# Allegro board reComputer J202_V1.0.brd (continued)
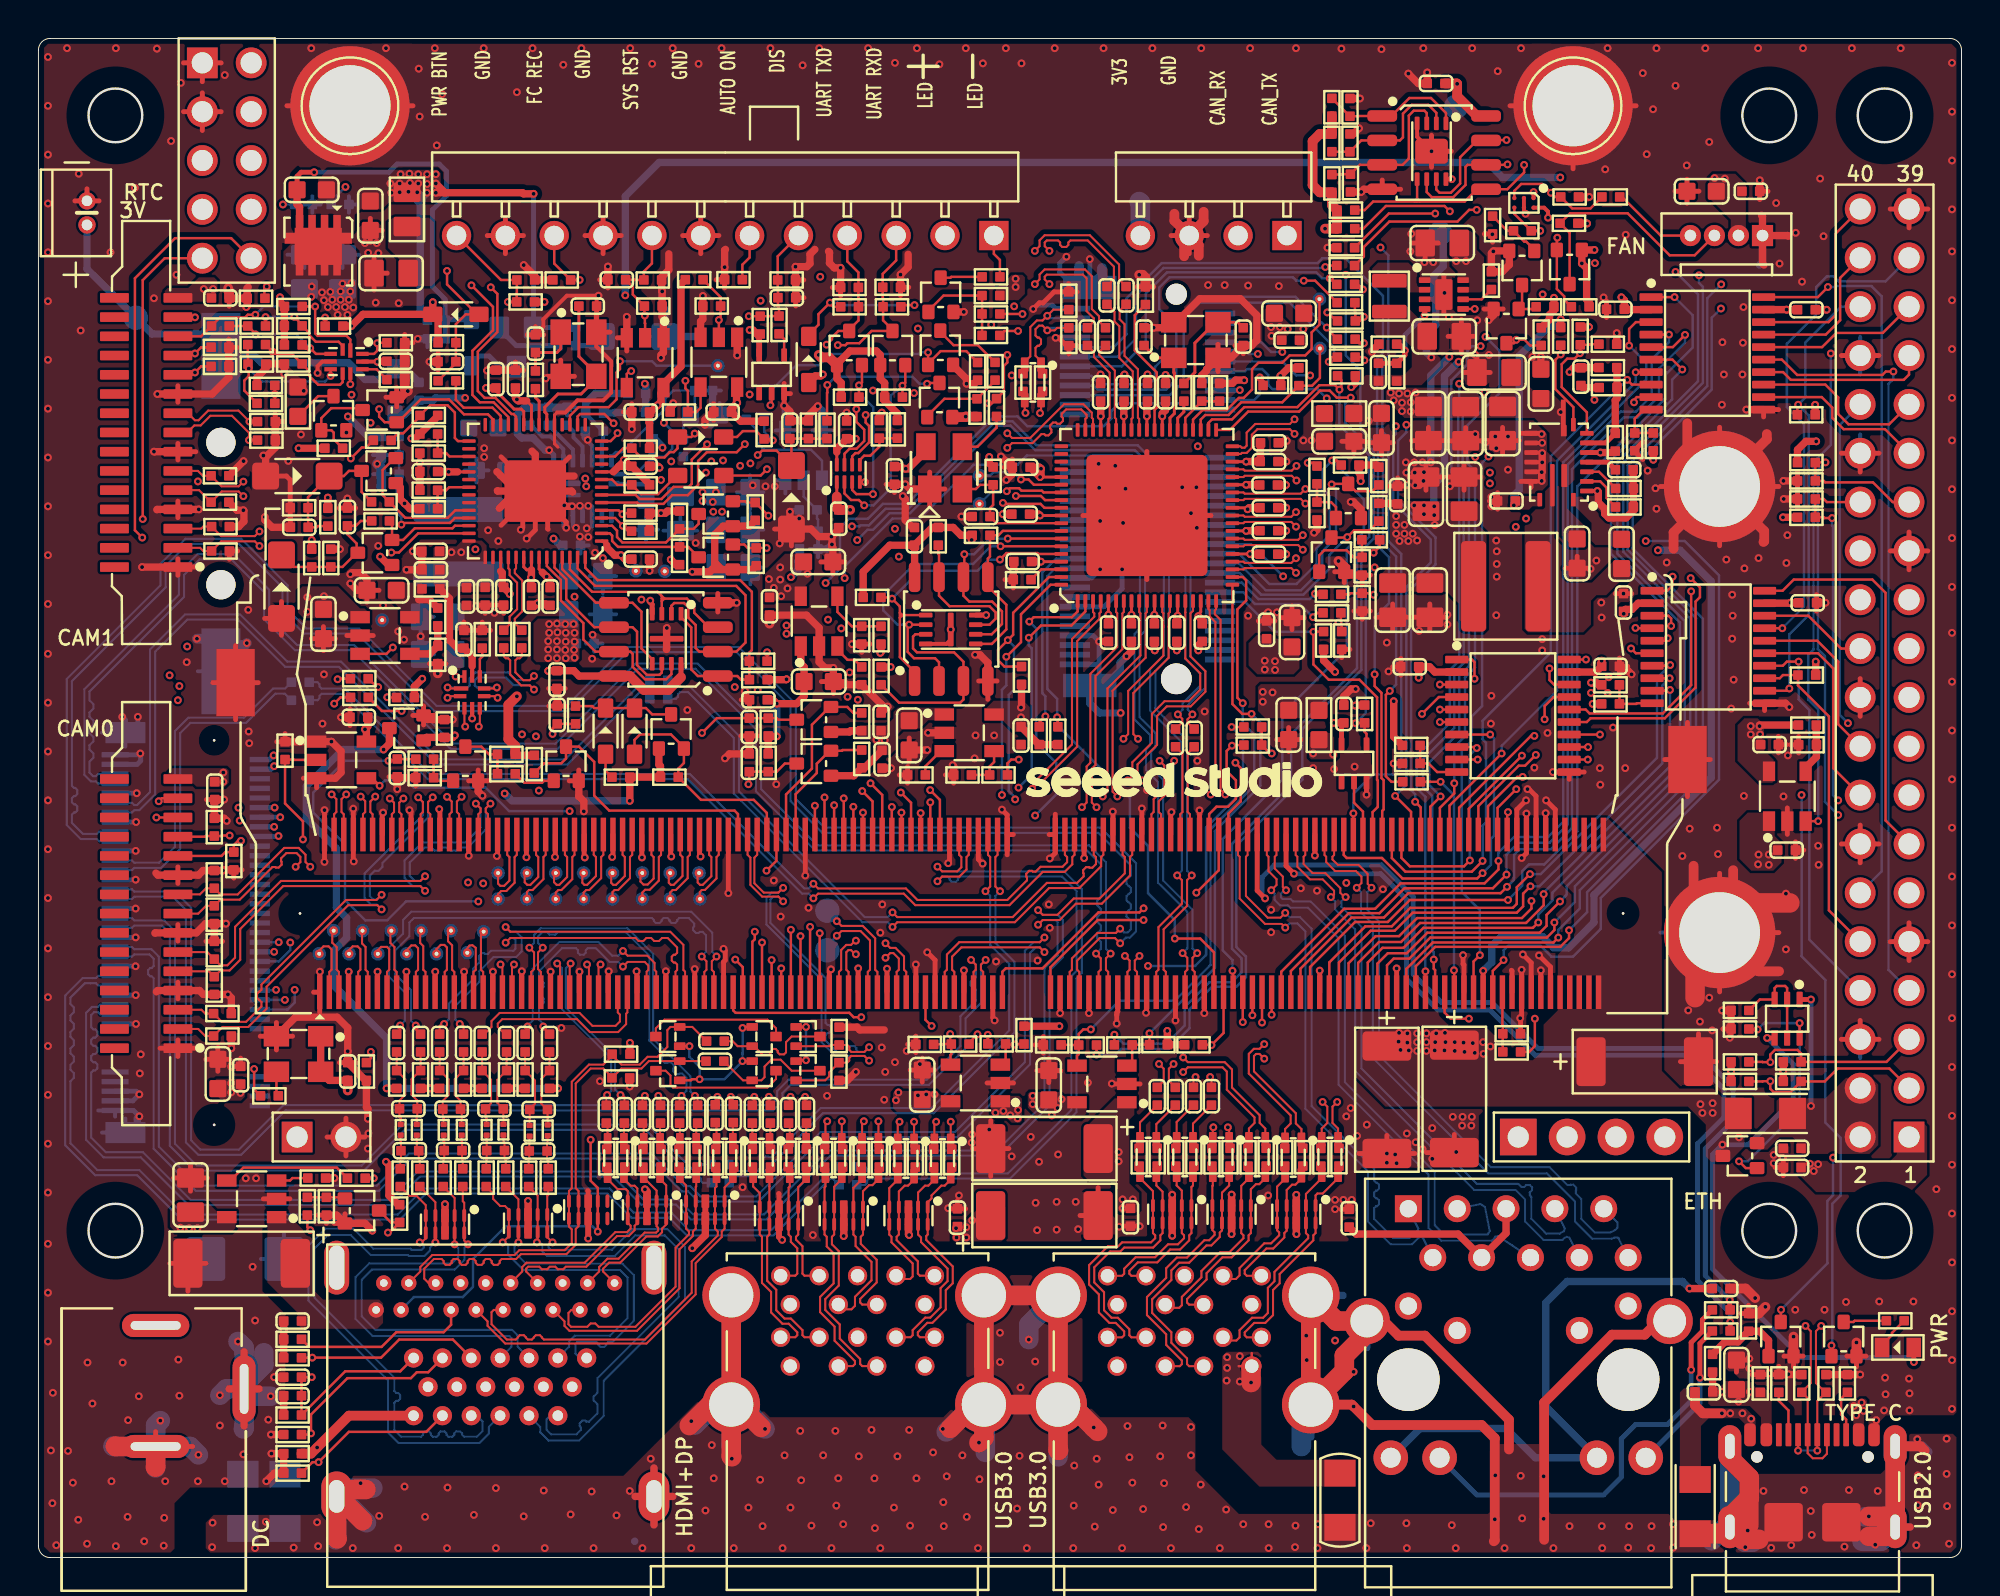
[diagram p0: board, top side]
## Routing (per net, layer and track width the routed paths; a pad name or vN(x,y) marks a point on that pad's centre or on a via; arc(x,y) is an arc through that point) (continued)
BMCU_PWR_BTN*: length 4.7
  TOP w0.127: D32.1 33.19,56.27 32.22,55.3 31.33,55.3 R150.2 30.1,55.78 29.83,56.06 U29.9
BRD_ID_A0: length 7.6
  TOP w0.127: R244.2 68.19,74.95 R243.1 68.64,74.95 68.65,74.97 U40.1 70.35,74.97 71.29,75.9 72.41,75.9 73.19,75.12 U41.1
BRD_ID_A1: length 7.9
  TOP w0.127: R241.2 R242.1 68.79,73.7 U40.2 70.8,73.7 70.95,73.86 70.95,75.09 71.41,75.55 72.28,75.55 72.69,75.13 U41.2
BRD_ID_A2: length 8.2
  TOP w0.127: R239.2 67.7,71.92 67.72,71.94 R240.1 68.71,72.43 U40.3 70.93,72.43 71.26,72.75 71.26,74.99 71.51,75.24 72.07,75.24 72.19,75.12 U41.3
BRD_ID_WP: length 16.5
  TOP w0.127: v1(76.34,73.72) 75.3,73.72 U40.7 74.8,73.7 73.93,72.82 73.93,71.46 73.44,70.97 72.86,70.97 72.69,71.14 U41.7 ; v1(72.63,69.89) 70.22,69.89 R232.1
  LAY4 w0.127: v1(76.34,73.72) 72.91,70.29 72.91,70.17 v1(72.63,69.89)
BT_EN: length 2.6
  TOP w0.127: Q22.1 67.47,54.63 67.22,54.89 R265.1 R264.2
BT_M2_EN: length 40.5
  TOP w0.127: J11.126 v1(45.87,38.72) ; v1(66,56.93) 66.31,56.93 R264.1
  LAY3 w0.127: v1(44.54,53.5) 44.54,53.11 44.34,52.9 44.34,51.8 45.22,50.91 45.22,48.98 44.91,48.67 44.91,46.86 45.25,46.51 45.25,39.91 45.87,39.29 v1(45.87,38.72)
  LAY4 w0.127: v1(66,56.93) 66,56.54 65.85,56.38 64.34,56.38 63.14,55.18 51.67,55.18 50.22,53.73 45.16,53.73 44.93,53.5 v1(44.54,53.5)
BT_M2_WAKE_AP: length 46.5
  TOP w0.127: R182.2 63.69,60.96 63.69,61.2 v1(63.51,61.37) ; J11.124 45.37,39.25 v1(44.84,39.78)
  LAY3 w0.127: v1(44.84,39.78) 44.84,46.44 44.68,46.6 44.68,48.92 44.92,49.16 44.92,50.43 44.08,51.26 44.08,53.6 44.51,54.03 44.51,57 45.53,58.02 v1(45.53,60.56)
  LAY4 w0.127: v1(45.53,60.56) 45.92,60.56 46.02,60.46 48.83,60.46 49.39,61.02 61.38,61.02 62.01,61.65 63.23,61.65 v1(63.51,61.37)
  BOTTOM w0.127: v1(63.51,61.37) 63.51,60.48 63.23,60.2 J20.20
BUCK_3V3_EN: length 82.1
  TOP w0.127: v1(30.82,61.7) 30.75,61.7 30.59,61.55 U34.4 ; U29.27 23.64,59.19 23.37,59.45 22.13,59.45 21.35,60.23 19.88,60.23 18.69,59.04 Q25.1 18,59.04 17.72,59.33 v1(17.72,59.72) ; R198.1 80.64,63.1 80.61,63.07 R205.2 80.17,62.64 v1(80.16,62.63) 79.88,62.35 79.5,62.35 79.21,62.06 79.21,60.87 80.52,59.56 U32.7
  LAY4 w0.127: v1(17.72,59.72) 18.25,60.26 19.67,60.26 22.59,63.18 28.69,63.18 30.16,61.7 v1(30.82,61.7) 31.09,61.97 32.41,61.97 32.77,61.62 36.78,61.62 37.4,62.24 40.36,62.24 40.45,62.15 59.2,62.15 60.2,63.15 65.85,63.15 65.98,63.28 67.91,63.28 68.52,63.89 77.28,63.89 78.99,62.17 79.03,62.14 79.67,62.14 v1(80.16,62.63)
BUCK_3V3_PG: length 171.9
  TOP w0.127: R261.1 17.28,25.97 v1(17.28,26.3) ; v1(16.24,57.16) 16.81,57.73 17.04,57.73 R160.2 ; U32.8 79.82,59.83 78.88,60.76 78.88,62.29 v1(79.16,62.57) R204.2 ; v1(49.38,60.03) 49.58,60.03 R172.1 50.2,60.65 50.2,61.11 50.2,61.97 50.38,62.15 v1(50.38,62.54) ; R13.1 v1(17.44,19.73) ; U15.3 v1(92.54,38.3) ; U38.5 v1(74.69,64.93)
  LAY3 w0.127: v1(17.44,19.73) 18.14,19.73 18.58,20.17 18.58,24.57 17.28,25.86 v1(17.28,26.3) 17.28,26.69 17.33,26.74 17.33,30.16 17.24,30.25 17.24,30.34 17.23,30.35 17.23,32.82 14.54,35.52 12.86,35.52 11.59,36.79 11.59,39.68 10.52,40.76 10.52,47.19 7.78,49.92 7.78,55.46 v1(8.29,55.96)
  LAY4 w0.127: v1(50.38,62.54) 50.77,62.54 50.9,62.42 59.14,62.42 61.07,64.35 62.19,64.35 62.37,64.52 64.93,64.52 65.13,64.33 68.07,64.33 68.29,64.12 73.87,64.12 v1(74.69,64.93) 76.79,64.93 v1(79.16,62.57) 79.64,63.05 81.11,63.05 81.55,62.62 v1(93.2,62.62) ; v1(49.38,60.03) 49.38,59.95 48.02,58.58 43.33,58.58 42.76,59.15 41.86,59.15 41.7,59.32 34.05,59.32 33.34,58.61 32.37,58.61 28.28,62.69 22.95,62.69 19.93,59.67 18.76,59.67 v1(16.24,57.16) 15.66,56.57 8.9,56.57 v1(8.29,55.96)
  BOTTOM w0.127: v1(93.2,62.62) 93.2,57.87 92.3,56.97 92.3,47.21 92.02,46.93 92.02,44.62 92.54,44.1 v1(92.54,38.3)
BUCK_5V_PG: length 57.7
  TOP w0.127: v1(38.06,59.93) 38.13,59.99 U33.2 ; 46.26,62.09 v1(46.26,62.67) ; 46.26,62.09 Q29.1 ; 46.26,62.09 46.91,62.74 48.25,62.74 R189.1 ; v1(18.43,47.33) 18.1,47 U24.3
  LAY3 w0.127: v1(17.27,59.01) 17.27,58.52 17.16,58.4 17.16,48.2 18.03,47.33 v1(18.43,47.33)
  LAY4 w0.127: v1(38.06,59.93) 36.97,59.93 36.64,59.6 33.67,59.6 33.08,59.01 v1(32.52,59.01) 28.61,62.92 22.75,62.92 19.77,59.95 18.71,59.95 17.77,59.01 v1(17.27,59.01)
  BOTTOM w0.127: v1(32.52,59.01) 32.96,58.58 32.96,57.67 32.54,57.25 R248.2 31.06,56.34 U42.8 ; v1(38.06,59.93) 38.06,60.66 39.41,62.01 40.6,62.01 41.19,62.59 45.79,62.59 45.87,62.67 v1(46.26,62.67)
BUF_EN: length 2.9
  TOP w0.127: U30.5 42.71,57.08 42.93,57.3 43.26,57.3 43.73,57.77 R166.1 R167.2
CAM0_I2C_SCL: length 12.4
  TOP w0.127: U36.1 16.22,63.34 16.02,63.53 14.52,63.53 14.39,63.66 v1(14.39,65.06) R220.2 ; J12.13 8.46,63.51 R208.2 9.44,64.49 10.74,64.49 10.88,64.63 v1(11.28,64.63)
  BOTTOM w0.127: v1(14.39,65.06) 11.71,65.06 v1(11.28,64.63)
CAM0_I2C_SDA: length 13.1
  TOP w0.127: v1(8.14,64.5) 8.13,64.51 J12.14 ; R173.2 v1(12.29,60.5) 12.29,60.5 R181.2 ; U36.7 v1(16.22,61.02)
  LAY4 w0.127: v1(16.22,61.02) 15.42,60.22 12.57,60.22 v1(12.29,60.5) 12.29,61.49 10.12,63.66 9.37,63.66 8.53,64.5 v1(8.14,64.5)
CAM0_MCLK: length 64.8
  TOP w0.127: D39.2 8.46,62.94 v1(8.14,62.62) 8.01,62.62 7.9,62.51 J12.12 ; J11.116 43.37,39.32 v1(42.84,39.86)
  LAY3 w0.127: v1(10.4,39) 9.31,39 8.11,40.19 8.11,45.57 6.87,46.82 6.87,55.35 7.76,56.24 7.76,59.85 8.57,60.66 8.57,62.44 8.39,62.62 v1(8.14,62.62)
  LAY4 w0.127: v1(42.84,39.86) 41.85,40.85 12.61,40.85 10.76,39 v1(10.4,39)
CAM0_PWDN: length 63.5
  TOP w0.127: J12.11 8.02,61.51 v1(8.14,61.63) 8.46,61.95 D37.2 ; J11.114 v1(42.87,38.74)
  LAY3 w0.127: v1(10.46,38.32) 10.07,38.72 9.21,38.72 7.89,40.04 7.89,45.48 6.64,46.72 6.64,55.53 7.45,56.34 7.45,60.26 8.14,60.94 v1(8.14,61.63)
  LAY4 w0.127: v1(10.46,38.32) 12.76,40.62 41.41,40.62 42.87,39.16 v1(42.87,38.74)
CAM1_I2C_SCL: length 36.9
  TOP w0.127: v1(13.31,64.52) 13.31,64.51 13.71,64.11 R210.2 14.08,63.68 14.08,63.57 14.42,63.23 15.61,63.23 15.82,63.02 U36.2 ; J9.13 v1(6.13,38.49) ; R209.2 v1(11.81,64.51)
  LAY3 w0.127: v1(6.13,38.49) 5.83,38.79 5.83,55.71 6.81,56.69 6.81,60.52 6.97,60.69 6.97,62.59 8.39,64.02 11.31,64.02 v1(11.81,64.51)
  BOTTOM w0.127: v1(11.81,64.51) 12.2,64.51 12.21,64.52 v1(13.31,64.52)
CAM1_I2C_SDA: length 35.5
  TOP w0.127: v1(6.25,39.33) 6.41,39.49 J9.14 ; U36.6 15.82,61.13 15.68,60.99 14.54,60.99 14.08,61.45 14.08,61.7 R193.2 13.19,62.59 12.3,62.59 v1(12.17,62.72) R197.2
  LAY3 w0.127: v1(6.25,39.33) 6.25,55.66 7.12,56.53 7.12,60.43 7.38,60.69 7.38,62.59 7.91,63.13 11.76,63.13 v1(12.17,62.72)
CAM1_MCLK: length 40.7
  TOP w0.127: J9.12 8.67,37.49 8.7,37.52 D19.2 9.52,37.52 9.55,37.55 v1(9.94,37.55) ; J11.122 v1(44.87,38.74)
  LAY4 w0.127: v1(9.94,37.55) 9.94,37.3 10.53,36.71 12.56,36.71 13.68,37.83 19.87,37.83 20.31,37.4 43.9,37.4 44.87,38.37 v1(44.87,38.74)
CAM1_PWDN: length 40.7
  TOP w0.127: J9.11 9.52,36.49 9.72,36.69 D18.2 10.16,37.05 10.38,37.27 v1(10.53,37.27) ; v1(44.37,39.03) J11.120
  LAY4 w0.127: v1(10.53,37.27) 10.81,36.99 12.49,36.99 13.55,38.06 20.43,38.06 20.82,37.68 43.65,37.68 44.37,38.4 v1(44.37,39.03)
CAM_I2C_SCL: length 150.1
  TOP w0.127: U36.3 14.43,62.6 v1(14.13,62.89) 14.11,62.87 13.9,62.87 R196.2 ; v1(79.12,34.12) 78.42,33.42 78.42,32.85 78.07,32.49 72.22,32.49 71.15,31.43 70.17,31.43 69.62,30.89 J11.213 ; v1(50.15,54.85) 50.28,54.85 50.33,54.8 52.11,54.8 52.31,54.59 U28.66 ; R208.1 R209.1 11.29,63.64 v1(11.29,63.61)
  LAY3 w0.127: v1(50.74,65.07) 50.43,64.76 50.43,63.58 52.95,61.07 52.95,55.96 51.73,54.74 50.65,54.74 50.55,54.85 v1(50.15,54.85)
  LAY4 w0.127: v1(14.13,62.89) 16.19,62.89 17.93,64.64 22.65,64.64 23.96,65.95 27.19,65.95 27.55,65.59 28.21,65.59 29.13,66.52 35.39,66.52 35.42,66.49 39.63,66.49 40.17,65.95 48.53,65.95 49.4,65.07 v1(50.74,65.07) 51.01,65.35 54.81,65.35 56.86,67.39 65.75,67.39 67.07,66.07 68.08,66.07 68.72,66.71 84.58,66.71 84.73,66.86 v1(85.13,66.86)
  BOTTOM w0.127: v1(85.13,66.86) 86.3,65.69 86.3,61.17 82.1,56.98 82.1,52.2 85.61,48.7 85.61,41.05 79.46,34.91 79.46,34.48 79.4,34.41 79.4,34.4 v1(79.12,34.12) ; v1(14.13,62.89) 13.42,63.61 v1(11.29,63.61)
CAM_I2C_SDA: length 150.3
  TOP w0.127: R197.1 10.89,62.52 10.9,62.51 R192.2 10.93,62.03 v1(10.93,61.83) 10.93,61.44 10.71,61.21 10.71,60.68 R173.1 ; J11.215 70.12,30.8 70.47,31.15 71.28,31.15 72.38,32.24 78.43,32.24 78.83,32.63 v1(78.83,33.03) ; U28.65 52.34,54.99 52.13,55.21 v1(50.83,55.21) ; v1(15.19,61.45) U36.5
  LAY3 w0.127: v1(49.54,64.12) 52.72,60.94 52.72,56.17 51.76,55.21 v1(50.83,55.21)
  LAY4 w0.127: v1(15.19,61.45) 18.15,64.41 22.75,64.41 24.06,65.72 27.1,65.72 27.45,65.36 28.3,65.36 29.2,66.26 35.32,66.26 35.33,66.26 39.54,66.26 40.07,65.72 48.43,65.72 49.54,64.61 v1(49.54,64.12) 49.94,64.12 50.01,64.19 51.55,64.19 52.36,65.01 54.88,65.01 56.98,67.11 65.67,67.11 66.94,65.84 68.21,65.84 68.8,66.43 86.09,66.43 v1(86.35,66.68)
  BOTTOM w0.127: v1(15.19,61.45) 14.9,61.16 11.61,61.16 v1(10.93,61.83) ; v1(78.83,33.03) 79.9,34.09 79.9,34.91 85.89,40.9 85.89,48.83 82.41,52.31 82.41,56.95 86.55,61.09 86.55,66.09 86.35,66.29 v1(86.35,66.68)
CAM_MUX_OE*: length 1.5
  TOP w0.127: U36.8 17.58,61.8 R186.1
CAM_MUX_SEL: length 57.9
  TOP w0.127: J11.130 46.87,39.4 v1(46.37,39.91) ; R200.1 17.64,63.18 v1(17.61,63.15) 17.61,62.76 17.45,62.6 U36.10
  LAY3 w0.127: v1(45.73,63.91) 45.73,63.52 45.66,63.44 45.66,61.04 46.11,60.59 46.11,60.18 45.88,59.95 45.88,48.28 45.78,48.18 45.78,40.89 46.37,40.3 v1(46.37,39.91)
  LAY4 w0.127: v1(45.73,63.91) 40.19,63.91 39.48,63.2 29.55,63.2 29.02,63.74 22.41,63.74 21.65,62.97 18.19,62.97 18.01,63.15 v1(17.61,63.15)
CAN_RX: length 50.3
  TOP w0.127: J11.143 50.12,30.47 50.3,30.64 52.21,30.64 55.12,33.55 57.25,33.55 v1(57.47,33.76)
  LAY3 w0.127: J16.2 63.42,67.71 63.42,63.14 63.94,62.62 63.94,61.02 64.12,60.84 64.12,55.72 64.02,55.62 64.02,50.71 64.88,49.84 64.88,44.05 64.6,43.77 64.6,40.55 61.71,37.65 59.42,37.65 58.51,36.74 58.51,34.81 v1(57.47,33.76)
CAN_TX: length 48.5
  TOP w0.127: v1(57.47,33.15) 55.08,33.15 52.62,30.7 J11.145
  LAY3 w0.127: J16.1 63.65,67.48 63.65,63.29 64.2,62.75 64.2,61.14 64.4,60.94 64.4,55.61 64.3,55.51 64.3,50.86 65.16,49.99 65.16,44.01 64.83,43.68 64.83,40.45 61.8,37.42 59.6,37.42 58.81,36.63 58.81,34.5 v1(57.47,33.15)
CSI0_CLK_N: length 30
  TOP w0.107: D35.2 v1(10.95,58.11) 10.95,58.49 10.06,59.38 8.94,59.38 8.43,58.87 8.1,58.87 7.74,58.51 J12.8 ; v1(16.76,39.57) 16.99,39.34 16.99,38.77 16.87,38.66 J11.10
  LAY3 w0.084: v1(16.76,39.57) 17,39.82 17,40.34 16.07,41.27 15.15,41.27 12.93,43.5 12.93,53.33 12.17,54.09 12.17,58.02 11.72,58.47 11.34,58.47 10.97,58.11 v1(10.95,58.11)
CSI0_CLK_P: length 29.9
  TOP w0.107: J11.12 17.37,38.66 17.26,38.77 17.26,39.32 v1(17.51,39.57) ; D36.2 v1(10.97,59.08) 10.4,59.65 8.83,59.65 8.32,59.14 8.13,59.14 7.77,59.51 J12.9
  LAY3 w0.084: v1(17.51,39.57) 17.24,39.84 17.24,40.44 16.17,41.51 15.25,41.51 13.17,43.59 13.17,53.42 12.41,54.19 12.41,58.12 11.82,58.71 11.34,58.71 v1(10.97,59.08)
CSI0_D0_N: length 22.9
  TOP w0.107: v1(11.49,52.61) 11.25,52.85 9.51,52.85 D25.2 8.57,52.34 8.41,52.51 J12.2 ; J11.4 15.37,38.66 15.49,38.77 15.49,39.44 v1(15.25,39.69)
  LAY3 w0.084: v1(11.49,52.61) 11.75,52.87 11.95,52.87 12.12,52.69 12.12,52.28 12.04,52.19 11.98,52.19 11.9,52.11 11.9,51.94 11.98,51.86 12.04,51.86 12.12,51.78 12.12,42.78 14.57,40.33 15.31,40.33 15.51,40.13 15.51,39.95 v1(15.25,39.69)
CSI0_D0_P: length 23
  TOP w0.107: J11.6 15.88,38.66 15.76,38.77 15.76,39.44 v1(16,39.69) ; J12.3 8.47,53.51 8.57,53.61 D26.2 9.5,53.12 11.25,53.12 v1(11.49,53.36)
  LAY3 w0.084: v1(11.49,53.36) 11.75,53.1 12.05,53.1 12.36,52.79 12.36,42.88 14.67,40.57 15.4,40.57 15.74,40.23 15.74,39.95 v1(16,39.69)
CSI0_D1_N: length 31.9
  TOP w0.107: v1(10.66,55.2) 10.41,55.44 9.53,55.44 D27.2 8.35,55.51 J12.5 ; v1(18.27,39.47) 18.49,39.26 18.49,38.77 18.37,38.66 J11.16
  LAY3 w0.084: v1(10.66,55.2) 10.4,55.46 10.12,55.46 9.77,55.1 9.77,54.75 9.85,54.66 9.89,54.66 9.97,54.58 9.97,54.41 9.89,54.33 9.85,54.33 9.77,54.24 9.77,54.07 9.85,53.99 9.89,53.99 9.97,53.91 9.97,53.74 9.89,53.66 9.85,53.66 9.77,53.57 9.77,53.12 11.58,51.31 11.58,41.27 14.49,38.36 16.39,38.36 16.48,38.45 16.48,38.51 16.56,38.59 16.73,38.59 16.81,38.51 16.81,38.45 16.9,38.36 17.06,38.36 17.15,38.45 17.15,38.51 17.23,38.59 17.4,38.59 17.48,38.51 17.48,38.45 17.57,38.36 18.3,38.36 18.51,38.57 18.51,39.24 v1(18.27,39.47)
CSI0_D1_P: length 32
  TOP w0.107: J11.18 18.87,38.66 18.76,38.77 18.76,39.26 v1(18.98,39.47) ; J12.6 8.29,56.51 8.55,56.26 D31.2 9.52,55.71 10.41,55.71 v1(10.66,55.95)
  LAY3 w0.084: v1(10.66,55.95) 10.39,55.69 10.02,55.69 9.53,55.2 9.53,53.02 11.34,51.21 11.34,41.18 14.39,38.13 18.4,38.13 18.74,38.47 18.74,39.24 v1(18.98,39.47)
CSI1_CLK_N: length 3.2
  TOP w0.107: TP2.1 16.15,31.6 16.34,31.78 16.6,31.78 16.74,31.64 16.74,30.57 16.62,30.46 J11.9
CSI1_CLK_P: length 3.3
  TOP w0.107: TP9.1 16.83,32.58 16.83,31.94 17.01,31.75 17.01,30.57 17.12,30.46 J11.11
CSI1_D0_N: length 3.2
  TOP w0.107: J11.3 15.12,30.46 15.24,30.57 15.24,31.63 15.09,31.78 14.82,31.78 14.6,31.56 TP1.1
CSI1_D0_P: length 3.4
  TOP w0.107: J11.5 15.62,30.46 15.51,30.57 15.51,31.74 15.28,31.98 15.28,32.53 TP8.1
CSI1_D1_N: length 3.2
  TOP w0.107: J11.15 18.12,30.46 18.24,30.57 18.24,31.64 18.12,31.76 17.82,31.76 17.65,31.59 TP3.1
CSI1_D1_P: length 3.4
  TOP w0.107: J11.17 18.62,30.46 18.51,30.57 18.51,31.75 18.3,31.96 18.3,32.55 TP10.1
CSI2_CLK_N: length 21.3
  TOP w0.107: v1(13.38,35.92) 13.62,36.17 13.62,36.44 13.42,36.63 12.89,36.63 12.62,36.36 12.62,36.21 12.64,36.18 12.64,36.03 12.49,35.88 12.34,35.88 12.32,35.91 12.16,35.91 10.47,34.21 9.46,34.21 D16.2 8.71,33.89 8.31,33.49 J9.8 ; J11.28 21.37,38.66 21.49,38.77 21.49,39.32 v1(21.25,39.56)
  LAY3 w0.084: v1(13.38,35.92) 13.63,36.17 13.63,36.58 14.35,37.31 18.79,37.31 19.78,38.29 21.22,38.29 21.51,38.57 21.51,39.3 v1(21.25,39.56)
CSI2_CLK_P: length 21.5
  TOP w0.107: v1(14.13,35.92) 13.89,36.17 13.89,36.55 13.53,36.9 12.78,36.9 10.36,34.48 9.46,34.48 D17.2 8.71,34.8 8.4,34.49 J9.9 ; v1(22,39.56) 21.76,39.32 21.76,38.77 21.87,38.66 J11.30
  LAY3 w0.084: v1(22,39.56) 21.74,39.3 21.74,38.48 21.32,38.06 19.87,38.06 18.89,37.07 14.45,37.07 13.86,36.49 13.86,36.19 v1(14.13,35.92)
CSI2_D0_N: length 24.1
  TOP w0.107: v1(19.75,39.54) 19.99,39.29 19.99,38.77 19.87,38.66 J11.22 ; J9.2 8.31,27.49 8.67,27.12 D12.2 9.57,27.59 9.62,27.59 9.82,27.59 10.91,27.59 11.86,28.55 11.86,29.69 16.1,33.93 17.62,33.93 v1(17.84,33.71)
  BOTTOM w0.107: v1(17.84,33.71) 17.6,33.95 17.3,33.95 16.96,34.29 16.96,35.58 19.99,38.6 19.99,39.29 v1(19.75,39.54)
CSI2_D0_P: length 23.9
  TOP w0.107: J11.24 20.37,38.66 20.26,38.77 20.26,39.29 v1(20.5,39.54) ; v1(17.84,34.47) 17.57,34.2 15.99,34.2 11.59,29.8 11.59,29.53 11.49,29.43 11.47,29.43 11.37,29.32 11.37,29.11 11.47,29 11.49,29 11.59,28.89 11.59,28.66 10.8,27.86 9.82,27.86 9.57,27.86 9.53,27.86 D13.2 8.67,28.29 8.48,28.49 J9.3
  BOTTOM w0.107: v1(20.5,39.54) 20.26,39.29 20.26,38.49 17.89,36.12 17.89,35.92 17.69,35.72 17.48,35.72 17.23,35.47 17.23,34.4 17.41,34.22 17.6,34.22 v1(17.84,34.47)
CSI2_D1_N: length 26
  TOP w0.107: J11.34 22.87,38.66 22.99,38.77 22.99,38.96 v1(22.75,39.21) ; v1(20.1,34.67) 19.86,34.92 12.72,34.92 10.49,32.69 10.49,31.09 9.94,30.53 9.46,30.53 D14.2 8.87,30.49 J9.5
  BOTTOM w0.107: v1(22.75,39.21) 22.99,38.96 22.99,37.97 22.21,37.19 19.98,37.19 19.04,36.25 19.04,35.34 19.46,34.92 19.86,34.92 v1(20.1,34.67)
CSI2_D1_P: length 25.8
  TOP w0.107: J11.36 23.37,38.66 23.26,38.77 23.26,38.96 v1(23.5,39.21) ; J9.6 8.78,31.49 D15.2 9.46,30.8 9.82,30.8 10.22,31.2 10.22,32.8 12.61,35.19 19.86,35.19 v1(20.1,35.43)
  BOTTOM w0.107: v1(23.5,39.21) 23.26,38.96 23.26,37.86 22.32,36.92 21.88,36.92 21.71,36.76 21.45,36.76 21.29,36.92 21.02,36.92 20.86,36.76 20.6,36.76 20.43,36.92 20.09,36.92 19.31,36.14 19.31,35.45 19.57,35.19 19.86,35.19 v1(20.1,35.43)
CSI3_CLK_N: length 3.3
  TOP w0.107: TP5.1 20.7,31.64 20.92,31.86 21.11,31.86 21.24,31.73 21.24,30.57 21.12,30.46 J11.27
CSI3_CLK_P: length 3.4
  TOP w0.107: J11.29 21.62,30.46 21.51,30.57 21.51,31.84 21.3,32.05 21.3,32.45 TP12.1
CSI3_D0_N: length 3.3
  TOP w0.107: TP4.1 19.15,31.59 19.39,31.83 19.6,31.83 19.74,31.69 19.74,30.57 19.62,30.46 J11.21
CSI3_D0_P: length 3.3
  TOP w0.107: J11.23 20.12,30.46 20.01,30.57 20.01,31.8 19.85,31.96 19.85,32.55 TP11.1
CSI3_D1_N: length 3.2
  TOP w0.107: TP6.1 22.28,31.65 22.41,31.82 22.56,31.84 22.74,31.71 22.74,30.57 22.62,30.46 J11.33
CSI3_D1_P: length 3.2
  TOP w0.107: TP7.1 23.01,32.37 23.01,30.57 23.12,30.46 J11.35
CSI4_CLK_N: length 3.7
  TOP w0.107: J11.52 27.37,36.54 27.49,36.43 27.49,35.39 27.08,34.98 26.95,34.98 26.81,35.12 26.81,35.51 TP23.1
CSI4_CLK_P: length 3.8
  TOP w0.107: TP15.1 26.9,34.58 27.03,34.71 27.19,34.71 27.76,35.28 27.76,36.43 27.87,36.54 J11.54
CSI4_D0_N: length 3.7
  TOP w0.107: J11.46 25.87,36.54 25.99,36.43 25.99,35.39 25.58,34.98 25.42,34.98 25.29,35.12 25.29,35.49 TP22.1
CSI4_D0_P: length 3.9
  TOP w0.107: TP14.1 25.4,34.61 25.51,34.71 25.69,34.71 26.26,35.28 26.26,36.43 26.37,36.54 J11.48
CSI4_D1_N: length 3.7
  TOP w0.107: J11.58 28.87,36.54 28.99,36.43 28.99,35.44 28.53,34.98 28.39,34.98 28.28,35.09 28.28,35.53 TP24.1
CSI4_D1_P: length 3.9
  TOP w0.107: J11.60 29.37,36.54 29.26,36.43 29.26,35.33 28.64,34.71 28.48,34.71 28.35,34.58 TP16.1
CSI4_D2_N: length 3.7
  TOP w0.107: TP21.1 23.9,35.05 24.02,34.93 24.22,34.93 24.49,35.2 24.49,36.43 24.37,36.54 J11.40
CSI4_D2_P: length 3.9
  TOP w0.107: J11.42 24.87,36.54 24.76,36.43 24.76,35.09 24.33,34.66 24.07,34.66 23.9,34.5 TP13.1
CSI4_D3_N: length 3.7
  TOP w0.107: J11.64 30.37,36.54 30.49,36.43 30.49,35.44 30.03,34.98 29.89,34.98 29.78,35.09 29.78,35.53 TP25.1
CSI4_D3_P: length 3.9
  TOP w0.107: TP17.1 29.85,34.61 29.96,34.71 30.14,34.71 30.76,35.33 30.76,36.43 30.87,36.54 J11.66
CSI5_CLK_N: length 3.7
  TOP w0.107: J11.76 33.37,36.54 33.49,36.43 33.49,35.44 33.03,34.98 32.89,34.98 32.78,35.09 32.78,35.53 TP27.1
CSI5_CLK_P: length 3.9
  TOP w0.107: TP19.1 32.85,34.58 32.98,34.71 33.14,34.71 33.76,35.33 33.76,36.43 33.87,36.54 J11.78
CSI5_D0_N: length 3.7
  TOP w0.107: TP26.1 31.3,35.5 31.3,35.16 31.46,35 31.68,35 31.99,35.31 31.99,36.43 31.87,36.54 J11.70
CSI5_D0_P: length 3.9
  TOP w0.107: TP18.1 31.4,34.58 31.55,34.73 31.79,34.73 32.26,35.2 32.26,36.43 32.37,36.54 J11.72
CSI5_D1_N: length 3.7
  TOP w0.107: J11.82 34.87,36.54 34.99,36.43 34.99,35.43 34.54,34.98 34.41,34.98 34.28,35.1 34.27,35.51 TP28.1
CSI5_D1_P: length 3.9
  TOP w0.107: TP20.1 34.39,34.6 34.49,34.71 34.66,34.72 35.26,35.32 35.26,36.43 35.37,36.54 J11.84
DAT_CC1: length 2.4
  TOP w0.127: R2.1 90.5,8.15 91,7.65 J1.A5
DAT_CC2: length 2.5
  TOP w0.127: J1.B5 94,7.18 93.74,7.44 93.74,8.26 R3.1
DCIN_SENSE: length 3.9
  BOTTOM w0.127: R247.2 40.01,53.38 40.02,53.37 R246.1 40.54,53.99 40.48,54.04 C187.1 39.79,55.17 U43.2
DCJ_IN: length 22.3
  TOP w0.381: 21.14,70.97 25.17,70.97 25.23,70.92 v1(25.75,70.92) ; 21.14,70.97 v1(20.66,71.46) ; 21.14,70.97 v1(20.66,70.97)
  BOTTOM w0.254: v1(25.75,70.92) Q35.2 26.98,63.96 R259.1
  BOTTOM w0.381: 19.85,70.62 v1(20.21,70.97) ; 19.85,70.62 19.85,70.42 ; 19.85,70.62 19.85,70.85 v1(19.7,71) ; 19.85,70.42 19.85,64.83 20.23,64.45 R260.1 ; 19.85,70.42 v1(19.24,71.03)
  vias: v1(18.3,71.46) v1(18.35,70.97) v1(18.78,71.46) v1(18.78,71) v1(18.83,71.94) v1(19.29,71.97) v1(19.32,71.48) v1(19.75,71.94) v1(19.75,71.46) v1(20.21,71.94) v1(20.21,71.43) v1(20.66,71.94)
DISCHG_3V3_SYS: length 4.7
  TOP w0.127: R161.2 15.35,58.15 15.35,58.5 15.24,58.62 Q24.1 14.71,59.25 15.23,59.77 16.75,59.77 Q25.3
DP0_AUX_N: length 21.5
  TOP w0.104: v1(38.72,34.13) 38.48,34.37 37.63,34.37 37.02,34.98 37.02,36.4 36.87,36.55 J11.90 ; v1(43.19,26.54) 42.95,26.29 42.63,26.29 42.42,26.29 42.27,26.29 42.17,26.4 42.17,26.55 42.06,26.65 R77.2 41.2,26.66 41.14,26.59 Q10.2
  BOTTOM w0.104: v1(43.19,26.54) 42.95,26.29 42.64,26.29 42.53,26.4 42.53,26.5 42.43,26.6 42.22,26.6 42.12,26.5 42.12,26.4 42.01,26.29 41.52,26.29 40.93,26.88 40.93,27.17 41.04,27.28 41.11,27.28 41.21,27.38 41.21,27.59 41.11,27.69 41.04,27.69 40.93,27.8 40.93,30.13 38.06,33 38.06,34.22 38.21,34.37 38.48,34.37 v1(38.72,34.13)
DP0_AUX_P: length 21.7
  TOP w0.104: Q7.2 40.91,24.82 41.12,25.02 41.12,25.23 R66.2 42.06,25.73 42.16,25.84 42.16,25.98 42.27,26.09 42.41,26.09 42.55,26.09 42.55,26.09 42.95,26.09 v1(43.19,25.84) ; J11.92 37.37,36.55 37.23,36.4 37.23,35.07 37.71,34.58 38.48,34.58 v1(38.72,34.83)
  BOTTOM w0.104: v1(43.19,25.84) 42.95,26.09 41.43,26.09 40.73,26.8 40.73,30.05 37.86,32.92 37.86,34.31 38.13,34.58 38.48,34.58 v1(38.72,34.83)
DP0_AUX_Q_N: length 7.5
  TOP w0.104: Q8.3 32.11,27.52 32.55,27.97 37.9,27.97 38.35,27.52 Q9.3
DP0_AUX_Q_P: length 7.5
  TOP w0.104: Q6.3 38.35,24.89 37.9,24.44 33.21,24.44 33,24.44 32.87,24.57 32.87,25.06 32.61,25.32 Q5.3
DP0_AUX_R_N: length 6.3
  TOP w0.104: Q10.3 39.16,27.09 38.87,26.8 38.87,26.27 38.77,26.17 38.54,26.17 38.44,26.27 38.44,26.34 38.34,26.45 38.19,26.45 38.09,26.35 38.09,26.25 37.98,26.14 37.66,26.14 37.21,26.59 Q9.2 36.35,26.59 36.09,26.85 C58.1
DP0_AUX_R_P: length 6.4
  TOP w0.104: Q7.3 39.17,25.32 38.59,25.89 38.11,25.89 37.76,25.53 37.76,24.98 37.59,24.82 Q6.2 36.63,24.82 C49.1
DP0_HPD: length 15.1
  TOP w0.127: R89.2 26.29,41.31 27.19,41.31 27.43,41.55 Q12.3 28.11,42.17 28.9,41.38 28.9,39.63 29.68,38.84 36.2,38.84 36.37,38.67 J11.88
DP0_HPD_B: length 2.2
  TOP w0.127: R88.1 25.26,40.29 26.19,40.29 26.29,40.39 Q12.1
DP0_HPD_C: length 2.9
  TOP w0.127: Q13.3 23.03,42.17 23.43,41.77 R94.2 23.87,41.33 23.87,41.33 R88.2
DP0_TXD0_N: length 13.8
  TOP w0.104: J11.39 24.12,30.75 v1(24.03,30.84) ; C23.1 31.41,23.91 31.51,24.01 v1(31.53,24.01)
  LAY3 w0.079: v1(31.53,24.01) 31.78,24.26 31.78,24.67 28.33,28.12 25.64,28.12 24.28,29.47 24.28,30.59 v1(24.03,30.84)
DP0_TXD0_P: length 13.8
  TOP w0.104: v1(24.73,30.84) 24.62,30.74 J11.41 ; v1(32.23,24.01) 32.24,24.01 32.35,23.91 C24.1
  LAY3 w0.079: v1(24.73,30.84) 24.47,30.59 24.47,29.55 25.72,28.3 28.41,28.3 31.97,24.75 31.97,24.28 v1(32.23,24.01)
DP0_TXD1_N: length 19
  TOP w0.104: J11.45 25.62,30.45 25.77,30.6 25.77,31.47 v1(25.53,31.71) ; v1(34.14,24.01) 34.17,24.01 34.28,23.91 C26.1
  BOTTOM w0.104: v1(25.53,31.71) 25.77,31.96 25.77,32.38 26.11,32.73 30.63,32.73 31.97,31.39 31.97,26.97 33.9,25.04 33.9,24.24 34.13,24.01 v1(34.14,24.01)
DP0_TXD1_P: length 18.9
  TOP w0.104: J11.47 26.12,30.45 25.98,30.6 25.98,31.47 v1(26.22,31.71) ; C25.1 33.34,23.91 v1(33.44,24.01)
  BOTTOM w0.104: v1(26.22,31.71) 25.98,31.96 25.98,32.3 26.2,32.52 26.45,32.52 26.58,32.39 26.87,32.39 27,32.52 30.54,32.52 31.76,31.3 31.76,26.88 32.45,26.2 32.45,26.05 32.42,26.02 32.42,25.87 32.56,25.72 32.71,25.72 32.74,25.75 32.89,25.75 33.04,25.61 33.04,25.46 33,25.43 33,25.28 33.15,25.14 33.3,25.14 33.33,25.17 33.48,25.17 33.69,24.95 33.69,24.26 v1(33.44,24.01)
DP0_TXD2_N: length 10.2
  TOP w0.104: C21.1 29.53,23.95 29.57,23.99 v1(29.57,24.05) ; J11.51 27.12,30.74 v1(26.97,30.89)
  BOTTOM w0.104: v1(29.57,24.05) 29.78,24.26 29.78,25.96 27.22,28.52 27.22,30.65 v1(26.97,30.89)
DP0_TXD2_P: length 10.3
  TOP w0.104: J11.53 27.62,30.85 v1(27.67,30.89) ; v1(30.27,24.05) 30.36,24.05 30.47,23.95 C22.1
  BOTTOM w0.104: v1(27.67,30.89) 27.43,30.65 27.43,28.6 29.98,26.04 29.98,24.34 v1(30.27,24.05)
DP0_TXD3_N: length 15.7
  TOP w0.104: v1(36,23.96) 35.96,23.92 35.96,23.71 C32.1 ; J11.57 28.62,30.75 v1(28.53,30.84)
  LAY3 w0.079: v1(28.53,30.84) 28.78,31.1 28.78,31.61 29.32,32.15 31.23,32.15 31.87,31.5 31.87,29.74 35.32,26.3 35.32,25.41 35.75,24.98 35.75,24.22 v1(36,23.96)
DP0_TXD3_P: length 15.7
  TOP w0.104: 29.12,29.6 J11.59 29.12,29.6 ; 29.12,29.6 29.12,30.74 v1(29.23,30.84) ; v1(35.31,23.96) 35.31,23.68 35.19,23.57 C31.1
  LAY3 w0.079: v1(35.31,23.96) 35.56,24.22 35.56,24.9 35.13,25.33 35.13,26.22 31.69,29.67 31.69,30.75 31.61,30.83 31.56,30.83 31.48,30.91 31.48,31.06 31.56,31.14 31.61,31.14 31.69,31.22 31.69,31.43 31.15,31.96 30.08,31.96 30,31.88 30,31.81 29.92,31.73 29.76,31.73 29.68,31.81 29.68,31.88 29.61,31.96 29.4,31.96 28.97,31.53 28.97,31.1 v1(29.23,30.84)
DP_CON_AUXN: length 27.5
  TOP w0.104: J5.B17 19.85,14.87 19.85,15.11 20.48,15.73 24.75,15.73 25.01,15.98 27.37,15.98 27.73,16.35 27.73,17.07 27.59,17.21 U9.6 U9.5 27.59,19.06 27.73,19.21 27.73,24.74 28.63,25.64 29.37,25.64 29.83,26.09 29.83,26.12 ; 29.83,26.12 30.31,25.64 31.27,25.64 31.68,26.04 32.19,26.04 32.7,26.55 32.7,27.43 32.87,27.59 Q8.2 34,27.59 C58.2 ; 29.83,26.12 R68.2
DP_CON_AUXP: length 27.3
  TOP w0.104: J5.B15 20.29,14.28 20.06,14.5 20.06,15.02 20.56,15.53 20.96,15.53 21.07,15.42 21.07,15.33 21.17,15.22 21.38,15.22 21.49,15.33 21.49,15.42 21.59,15.53 21.8,15.53 21.9,15.42 21.9,15.33 22.01,15.22 22.21,15.22 22.32,15.33 22.32,15.42 22.42,15.53 22.63,15.53 22.74,15.42 22.74,15.33 22.84,15.22 23.05,15.22 23.15,15.33 23.15,15.42 23.26,15.53 23.46,15.53 23.57,15.42 23.57,15.33 23.67,15.22 23.88,15.22 23.98,15.33 23.98,15.42 24.09,15.53 24.84,15.53 25.09,15.78 27.45,15.78 27.94,16.26 27.94,17.09 28.09,17.23 U9.7 U9.4 28.09,19.06 27.94,19.21 27.94,24.66 28.71,25.43 29.37,25.43 29.82,24.98 R65.1 30.31,25.43 31.36,25.43 31.74,25.82 Q5.2 34.28,25.82 34.29,25.81 C49.2
DP_CON_LANE0_N: length 8.6
  TOP w0.104: J5.B3 29.15,14.87 29.15,15.11 29.59,15.54 30.16,15.54 31.52,16.9 32.12,16.9 32.22,17 32.22,17.15 32.14,17.23 U10.9 U10.2 32.14,19.08 31.47,19.75 L4.3 31.43,19.9 R24.2
